# Altium PCB ZYNQ_IPMC.PcbDoc (part 2 of 6)
Units mil, origin at the board's own origin, x right, y up, seen from the top; angles counter-clockwise.
Board outline 3228.35 x 1181.1 mil, 10 copper layers (Component Side, Ground Plane 1 (GND), Inner Layer 1, Inner Layer 2, Power Plane 1, Power Plane 2, Inner Layer 3, Inner Layer 4, Power Plane 3, Solder Side), stack 39.78 mil thick; 308 components, 335 nets, 1514 pads, 1113 vias.
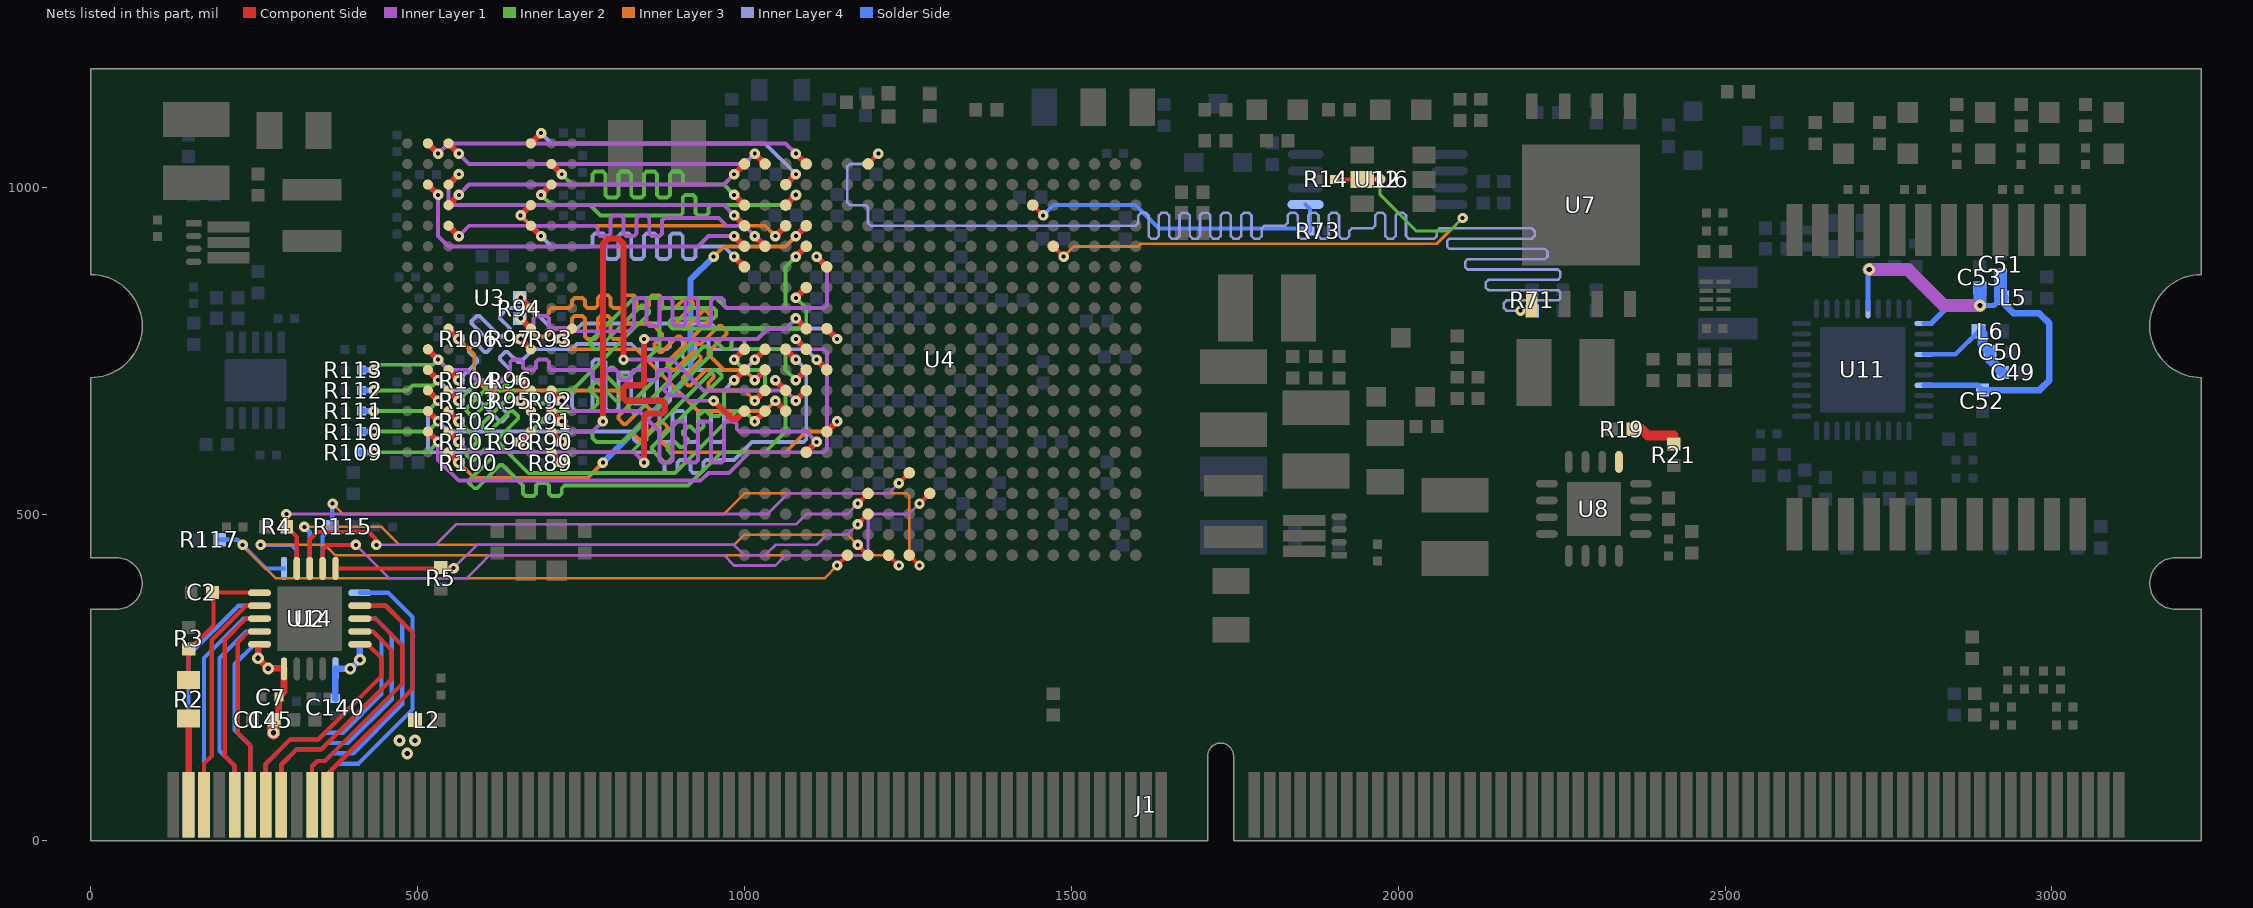
[diagram p10: the nets of this part, all layers, seen from the top]

## Footprints (in the part's own frame and the unit in brackets; to place one, negate y for a bottom-side part, rotate by r counter-clockwise, add the part's x,y. Pads: shape width x height; smd on the part's side, far side on the other; paste and mask are expansions set on the pad) (continued)
MICT-JT-96 [mm] "BGA, 96-Balls, Body 14x8mm, Pitch 0.8mm"
  round 0.4 smd paste+0: A1(-3.2,6) A2(-2.4,6) A3(-1.6,6) A7(1.6,6) A8(2.4,6) A9(3.2,6) B1(-3.2,5.2) B2(-2.4,5.2) B3(-1.6,5.2) B7(1.6,5.2) B8(2.4,5.2) B9(3.2,5.2) C1(-3.2,4.4) C2(-2.4,4.4) C3(-1.6,4.4) C7(1.6,4.4) C8(2.4,4.4) C9(3.2,4.4) D1(-3.2,3.6) D2(-2.4,3.6) D3(-1.6,3.6) D7(1.6,3.6) D8(2.4,3.6) D9(3.2,3.6) E1(-3.2,2.8) E2(-2.4,2.8) E3(-1.6,2.8) E7(1.6,2.8) E8(2.4,2.8) E9(3.2,2.8) F1(-3.2,2) F2(-2.4,2) F3(-1.6,2) F7(1.6,2) F8(2.4,2) F9(3.2,2) G1(-3.2,1.2) G2(-2.4,1.2) G3(-1.6,1.2) G7(1.6,1.2) G8(2.4,1.2) G9(3.2,1.2) H1(-3.2,0.4) H2(-2.4,0.4) H3(-1.6,0.4) H7(1.6,0.4) H8(2.4,0.4) H9(3.2,0.4) J1(-3.2,-0.4) J2(-2.4,-0.4) J3(-1.6,-0.4) J7(1.6,-0.4) J8(2.4,-0.4) J9(3.2,-0.4) K1(-3.2,-1.2) K2(-2.4,-1.2) K3(-1.6,-1.2) K7(1.6,-1.2) K8(2.4,-1.2) K9(3.2,-1.2) L1(-3.2,-2) L2(-2.4,-2) L3(-1.6,-2) L7(1.6,-2) L8(2.4,-2) L9(3.2,-2) M1(-3.2,-2.8) M2(-2.4,-2.8) M3(-1.6,-2.8) M7(1.6,-2.8) M8(2.4,-2.8) M9(3.2,-2.8) N1(-3.2,-3.6) N2(-2.4,-3.6) N3(-1.6,-3.6) N7(1.6,-3.6) N8(2.4,-3.6) N9(3.2,-3.6) P1(-3.2,-4.4) P2(-2.4,-4.4) P3(-1.6,-4.4) P7(1.6,-4.4) P8(2.4,-4.4) P9(3.2,-4.4) R1(-3.2,-5.2) R2(-2.4,-5.2) R3(-1.6,-5.2) R7(1.6,-5.2) R8(2.4,-5.2) R9(3.2,-5.2) T1(-3.2,-6) T2(-2.4,-6) T3(-1.6,-6) T7(1.6,-6) T8(2.4,-6) T9(3.2,-6)
  silkscreen extent -4.77,-7 4,7, body extent -4,-7 4,7, height 0.25
MINIDIMM244 [mm] "244-pin miniDIMM pads"
  rect 0.45x2.55 smd paste-20 mask+0: 1(0,0) 2(0.6,0) 3(1.2,0) 4(1.8,0) 5(2.4,0) 6(3,0) 7(3.6,0) 8(4.2,0) 9(4.8,0) 10(5.4,0) 11(6,0) 12(6.6,0) 13(7.2,0) 14(7.8,0) 15(8.4,0) 16(9,0) 17(9.6,0) 18(10.2,0) 19(10.8,0) 20(11.4,0) 21(12,0) 22(12.6,0) 23(13.2,0) 24(13.8,0) 25(14.4,0) 26(15,0) 27(15.6,0) 28(16.2,0) 29(16.8,0) 30(17.4,0) 31(18,0) 32(18.6,0) 33(19.2,0) 34(19.8,0) 35(20.4,0) 36(21,0) 37(21.6,0) 38(22.2,0) 39(22.8,0) 40(23.4,0) 41(24,0) 42(24.6,0) 43(25.2,0) 44(25.8,0) 45(26.4,0) 46(27,0) 47(27.6,0) 48(28.2,0) 49(28.8,0) 50(29.4,0) 51(30,0) 52(30.6,0) 53(31.2,0) 54(31.8,0) 55(32.4,0) 56(33,0) 57(33.6,0) 58(34.2,0) 59(34.8,0) 60(35.4,0) 61(36,0) 62(36.6,0) 63(37.2,0) 64(37.8,0) 65(38.4,0) 66(42,0) 67(42.6,0) 68(43.2,0) 69(43.8,0) 70(44.4,0) 71(45,0) 72(45.6,0) 73(46.2,0) 74(46.8,0) 75(47.4,0) 76(48,0) 77(48.6,0) 78(49.2,0) 79(49.8,0) 80(50.4,0) 81(51,0) 82(51.6,0) 83(52.2,0) 84(52.8,0) 85(53.4,0) 86(54,0) 87(54.6,0) 88(55.2,0) 89(55.8,0) 90(56.4,0) 91(57,0) 92(57.6,0) 93(58.2,0) 94(58.8,0) 95(59.4,0) 96(60,0) 97(60.6,0) 98(61.2,0) 99(61.8,0) 100(62.4,0) 101(63,0) 102(63.6,0) 103(64.2,0) 104(64.8,0) 105(65.4,0) 106(66,0) 107(66.6,0) 108(67.2,0) 109(67.8,0) 110(68.4,0) 111(69,0) 112(69.6,0) 113(70.2,0) 114(70.8,0) 115(71.4,0) 116(72,0) 117(72.6,0) 118(73.2,0) 119(73.8,0) 120(74.4,0) 121(75,0) 122(75.6,0)
  rect 0.45x2.55 smd far side paste-20 mask+0: 123(0,0) 124(0.6,0) 125(1.2,0) 126(1.8,0) 127(2.4,0) 128(3,0) 129(3.6,0) 130(4.2,0) 131(4.8,0) 132(5.4,0) 133(6,0) 134(6.6,0) 135(7.2,0) 136(7.8,0) 137(8.4,0) 138(9,0) 139(9.6,0) 140(10.2,0) 141(10.8,0) 142(11.4,0) 143(12,0) 144(12.6,0) 145(13.2,0) 146(13.8,0) 147(14.4,0) 148(15,0) 149(15.6,0) 150(16.2,0) 151(16.8,0) 152(17.4,0) 153(18,0) 154(18.6,0) 155(19.2,0) 156(19.8,0) 157(20.4,0) 158(21,0) 159(21.6,0) 160(22.2,0) 161(22.8,0) 162(23.4,0) 163(24,0) 164(24.6,0) 165(25.2,0) 166(25.8,0) 167(26.4,0) 168(27,0) 169(27.6,0) 170(28.2,0) 171(28.8,0) 172(29.4,0) 173(30,0) 174(30.6,0) 175(31.2,0) 176(31.8,0) 177(32.4,0) 178(33,0) 179(33.6,0) 180(34.2,0) 181(34.8,0) 182(35.4,0) 183(36,0) 184(36.6,0) 185(37.2,0) 186(37.8,0) 187(38.4,0) 188(42,0) 189(42.6,0) 190(43.2,0) 191(43.8,0) 192(44.4,0) 193(45,0) 194(45.6,0) 195(46.2,0) 196(46.8,0) 197(47.4,0) 198(48,0) 199(48.6,0) 200(49.2,0) 201(49.8,0) 202(50.4,0) 203(51,0) 204(51.6,0) 205(52.2,0) 206(52.8,0) 207(53.4,0) 208(54,0) 209(54.6,0) 210(55.2,0) 211(55.8,0) 212(56.4,0) 213(57,0) 214(57.6,0) 215(58.2,0) 216(58.8,0) 217(59.4,0) 218(60,0) 219(60.6,0) 220(61.2,0) 221(61.8,0) 222(62.4,0) 223(63,0) 224(63.6,0) 225(64.2,0) 226(64.8,0) 227(65.4,0) 228(66,0) 229(66.6,0) 230(67.2,0) 231(67.8,0) 232(68.4,0) 233(69,0) 234(69.6,0) 235(70.2,0) 236(70.8,0) 237(71.4,0) 238(72,0) 239(72.6,0) 240(73.2,0) 241(73.8,0) 242(74.4,0) 243(75,0) 244(75.6,0)
QFN40_H [mm] "QFN, 40-Leads, Body 5.00x5.00mm, Pitch 0.40mm, Thermal Pad 3.33x3.33mm, IPC High Density"
  oval 0.75x0.2 smd: 1(-2.375,1.8) 2(-2.375,1.4) 3(-2.375,1) 4(-2.375,0.6) 5(-2.375,0.2) 6(-2.375,-0.2) 7(-2.375,-0.6) 8(-2.375,-1) 9(-2.375,-1.4) 10(-2.375,-1.8) 21(2.375,-1.8) 22(2.375,-1.4) 23(2.375,-1) 24(2.375,-0.6) 25(2.375,-0.2) 26(2.375,0.2) 27(2.375,0.6) 28(2.375,1) 29(2.375,1.4) 30(2.375,1.8)
  oval 0.2x0.75 smd: 11(-1.8,-2.375) 12(-1.4,-2.375) 13(-1,-2.375) 14(-0.6,-2.375) 15(-0.2,-2.375) 16(0.2,-2.375) 17(0.6,-2.375) 18(1,-2.375) 19(1.4,-2.375) 20(1.8,-2.375) 31(1.8,2.375) 32(1.4,2.375) 33(1,2.375) 34(0.6,2.375) 35(0.2,2.375) 36(-0.2,2.375) 37(-0.6,2.375) 38(-1,2.375) 39(-1.4,2.375) 40(-1.8,2.375)
  rect 3.33x3.33 smd paste-20: 41(0,0)
  silkscreen extent -3.47,-2.7 2.7,2.7, body extent -2.55,-2.55 2.55,2.55, height 0.8
R0201_IPC_H [mm] "Chip Resistor, 2-Leads, Body 0.60x0.30mm, IPC High Density"
  rect 0.35x0.35 smd: 1(-0.325,0) 2(0.325,0)
  body extent -0.32,-0.17 0.32,0.17, height 0.26
R0402_IPC_H [mm] "Chip Resistor, 2-Leads, Body 1.00x0.50mm, IPC High Density"
  rect 0.5x0.52 smd: 1(-0.415,0) 2(0.415,0)
  body extent -0.53,-0.28 0.53,0.28, height 0.4
R0603 [mm] "Chip Resistor, Body 1.6x0.8mm, IPC High Density"
  rect 0.7x0.9 smd: 1(-0.75,0) 2(0.75,0)
  silkscreen extent -0.2,-0.35 0.2,0.35, body extent -0.85,-0.48 0.85,0.48, height 0.9
SON127P800X80_HS-9_N [mm] "SON, 8-Leads, Body 6.00x8.00mm, Pitch 1.27mm, Thermal Pad 4.60x4.70mm, IPC Medium Density"
  rect 1x0.45 smd: 1(-3.845,1.905) 2(-3.845,0.635) 3(-3.845,-0.635) 4(-3.845,-1.905) 5(3.845,-1.905) 6(3.845,-0.635) 7(3.845,0.635) 8(3.845,1.905)
  rect 4.7x4.6 smd paste-2.35: 9(0,0)
  silkscreen extent -4.65,-3.2 4.2,3.25, body extent -4.1,-3.05 4.1,3.05, height 0.8
SOT23-H [mm] "SOT23, 3-Leads, Body 2.90x2.45mm, Pitch 0.95mm, IPC High Density"
  rect 0.75x0.75 smd: 1(-1.145,0.95) 2(-1.145,-0.95) 3(1.145,0)
  silkscreen extent -1.27,-1.52 0.76,1.78, body extent -0.7,-1.5 0.7,1.5, height 1.1
SOT-23-OT6_L [mm] "SOT23, 6-Leads, Body 2.9x1.7mm, Pitch 0.95mm, Lead Span 2.8mm, IPC High Density"
  rect 0.9x0.65 smd: 1(-1.2,0.95) 2(-1.2,0) 3(-1.2,-0.95) 4(1.2,-0.95) 5(1.2,0) 6(1.2,0.95)
  silkscreen extent -1.43,-1.55 0.9,1.9, body extent -0.9,-1.55 0.9,1.55, height 1.45
TSSOP-ST8_L [mm] "TSOP, 8-Leads, Body 3x4.4mm, Pitch 0.65mm, IPC High Density"
  oval 1.4x0.35 smd: 1(-2.8,0.975) 2(-2.8,0.325) 3(-2.8,-0.325) 4(-2.8,-0.975) 5(2.8,-0.975) 6(2.8,-0.325) 7(2.8,0.325) 8(2.8,0.975)
  silkscreen extent -2.82,-1.55 2.25,1.7, body extent -2.25,-1.55 2.25,1.55, height 1.2
VSON-8_L [mm]
  rect 0.6x0.25 smd mask+0.07: 1(0,1)
  oval 0.6x0.25 smd mask+0.07: 2(0,0.5) 3(0,0) 4(0,-0.5)
  rect 1.64x0.44 smd paste-0.09 mask-0.07: 5(1.35,-0.35) 6(1.35,0.25) 7(1.35,0.85)
  silkscreen extent -0.82,1.38 -0.58,1.62, body extent -0.05,-0.75 1.95,1.25, height 1
X2SON-8_H [mm] "SON, 8-Leads, Body 1.40x1.00mm, Pitch 0.35mm, IPC High Density"
  rect 0.53x0.175 smd mask+0: 1(-0.335,0.525) 2(-0.335,0.175) 3(-0.335,-0.175) 4(-0.335,-0.525) 5(0.335,-0.525) 6(0.335,-0.175) 7(0.335,0.175) 8(0.335,0.525)
  silkscreen extent -0.86,0.79 -0.76,0.89, body extent -0.53,-0.72 0.53,0.72, height 0.4
XRCGB_F [mm] "Murata XRCGB_F footprint"
  rect 0.75x0.7 smd paste-0.07 mask-0.07: 1(-1232.05,-1243.025) 2(-1230.7,-1243.025) 3(-1230.7,-1242.025) 4(-1232.05,-1242.025)
  silkscreen extent -1232.5,-1243.86 -1230.25,-1241.57, body extent -1232.37,-1243.32 -1230.37,-1241.72, height 0.7

## Part data
C1 C3 C4 C5 C7 C8 C9 C10 C11 C13 C16 C18 C19 C20 C21 C22 C23 C25 C26 C28 C29 C30 C31 C33 C36 C37 C40 C41 C43 C45 C55 C56 C58 C59 C61 C63 C64 C65 C67 C68 C69 C72 C73 C76 C78 C79 C81 C83 C85 C86 C88 C89 C92 C93 C96 C97 C98 C99 C100 C102 C103 C106 C108 C109 C112 C113 C114 C116 C118 C119 C120 C121 C122 C123 C124 C125 C126 C127 C128 C129 C130 C131 C132 C133 C134 C135 C136 C137 C138 C139 C140 C141 C142 C143 C144 C145 C146 C147 C148 C149: library part Cap, "Capacitor", Manufacturer=Murata, Rating=6.3V, PackageDescription="Chip Capacitor"
  C1 C11 C16 C18 C20 C26 C30 C61 C64 C65 C67 C68: INVKEY=CP1210-100UF-6.3V-20%, Part=GRM32ER60J107ME20L
  C3 C7 C9 C10 C36 C37 C40 C41 C43 C45 C118 C119 C120 C121 C122 C123 C124 C125 C126 C129 C130 C131 C132 C133 C134 C135 C136 C137 C138 C140 C142 C143 C144 C149: INVKEY=CP0201-0.1UF-6.3V-10%, Part=GRM033R60J104KE19D
  C4 C5 C8 C19 C23 C25 C28 C29 C31 C33 C58 C59 C63 C109 C127 C128 C139 C141 C145 C146 C147 C148: INVKEY=CP0402-10UF-6V3-20%, Part=GRM155R60J106ME44D
  C13 C21 C22 C69 C72 C73 C76 C78 C79 C81 C83 C85 C86 C88 C89 C92 C93 C96 C97 C98 C99 C100 C102 C103 C106 C108 C112 C113 C114 C116: INVKEY=CP0402-0.47UF-6V3-10%, Part=GRM155R60J474KE19D
  C55 C56: INVKEY=CP0201-27PF-6V3-5%, Part=GJM0335C0J270JB01D
C2 C12 C15 C27 C32 C34 C38 C39 C48 C49 C51 C52 C53 C57 C60 C62 C66 C91 C95 C110 C111 C117: library part Cap, "Capacitor", Manufacturer=Murata, Rating=16V, PackageDescription="Chip Capacitor"
  C2 C32: INVKEY=CP0402-47nf-16V-10%, Part=GRM155R71C473KA01D
  C12 C15 C27 C34 C38 C39 C48 C49 C51 C52 C53 C57 C60 C62 C66 C91 C95 C110 C111 C117: INVKEY=CP0402-0.1UF-16V-10%, Part=GRM155R71C104KA88D
C6 C14 C17 C24 C70 C71 C74 C75 C77 C80 C82 C84 C87 C90 C94 C101 C104 C105 C107 C115: library part Cap, "Capacitor", Manufacturer=TDK, Rating=6.3V, PackageDescription="Chip Capacitor"
  C6 C14 C17 C24 C74: INVKEY=CP0805-47UF-6.3V, Part=C2012X5R0J476M125AC
  C70 C71 C75 C77 C80 C82 C84 C87 C90 C94 C101 C104 C105 C107 C115: INVKEY=CP0402-4.7UF-6.3V, Part=C1005X5R0J475M050BC
C35 C50 C54: library part Cap, "Capacitor", Manufacturer=AVX, Rating=16V, INVKEY=CP0402-4.7uf-16V-20%, PackageDescription="Chip Capacitor", Part=0402YD475MAT2A
C42 C44 C46: library part Cap, "Capacitor", Manufacturer=TDK, Rating=25V, INVKEY=CP0201-470PF-25V-10%, PackageDescription="Chip Capacitor", Part=C0603X7R1E471K030BA
C47: library part Cap, "Capacitor", Manufacturer=Murata, Rating=100V, INVKEY=CP0402-1000PF-100V-10%, PackageDescription="Chip Capacitor", Part=GRM155R72A102KA01D
D1 D2 D3 D4 D5 D6 D7 D8 D9: library part LED, "Light Emitting Diode", Manufacturer=Lite-On
  D1 D3 D9: INVKEY=LED-RD-TOP-0603, Part=LTST-C190KRKT
  D2 D4 D7: INVKEY=LED-YLW-TOP-0603, Part=LTST-C190KSKT
  D5 D6 D8: INVKEY=LED-GN-TOP-0603, Part=LTST-C190KGKT
J1: "244-pin miniDIMM pads", Note="NOT A PART"
L1 L4: library part Ind, "Inductor", DC Current=6.7A, DC Resistance=23mOhm, Manufacturer=Murata, Tolerance=20%, INVKEY=IND-DFE2520102F, PackageDescription="Chip Inductor", Part=DFE252012F-R47M=P2
L2 L3 L5 L6 L8 L9: library part Bead, "Bead Inductor", Manufacturer="Taiyo Yuden", Measuring Frequency=100MHz, Rated Current=300mA, INVKEY=FB-BK1005HM241-T, PackageDescription="Chip Inductor", Part=BK1005HM241-T
L7: library part Ind, "Inductor", DC Current=0.94A, DC Resistance=338mOhm, Manufacturer=Wurth, Tolerance=20%, INVKEY=IND-74438323047, PackageDescription="Chip Inductor", Part=74438323047
Q1: "Small Signal MOSFET, -8.0V, -3.7 A, Single P-Channel, SOT-23", Manufacturer="On Semiconductor", INVKEY=MOS-NTR2101P-SOT23, Part=NTR2101P
Q2 Q3: "N-Channel   Logic Level Enhancement Mode Field Effect Transistor", Manufacturer=Fairchild, INVKEY=FET-NDS331N-SSOT23, Part=NDS331N
R1 R4 R5 R9 R10 R11 R12 R14 R16 R18 R20 R23 R27 R29 R30 R31 R32 R34 R35 R36 R37 R39 R40 R41 R42 R43 R44 R45 R46 R47 R48 R50 R51 R54 R55 R58 R62 R63 R65 R71 R73 R75 R76 R77 R79 R80 R82 R84 R85 R108 R115 R116 R117 R119: library part Res, "Resistor", Manufacturer=Panasonic, Tolerance=1%, PackageDescription="Chip Resistor"
  R1 R14 R16 R20 R23 R29 R30 R31 R32 R34 R35 R36 R37 R40 R41 R42 R43 R44 R45 R46 R47 R50 R51 R73: INVKEY=RS0201-10K-1/20W-1%, Part=ERJ-1GNF1002C
  R4 R5 R62 R65 R71 R76 R79 R80 R82 R84 R108 R115 R117: INVKEY=RS0402-4K7-1/10W-1%, Part=ERJ-2RKF4701X
  R9 R10 R11 R12 R27 R75 R85: INVKEY=RS0402-49R9-1/10W-1%, Part=ERJ-2RKF49R9X
  R18: INVKEY=RS0402-24K-1/10W-1%, Part=ERJ-2RKF2402X
  R39 R48 R54 R58: INVKEY=RS0402-75R-1/10W-1%, Part=ERJ-2RKF75R0X
  R55 R116 R119: INVKEY=RS0402-2K37-1/10W-1%, Part=ERJ-2RKF2371X
  R63 R77: INVKEY=RS0201-22R-1/20W-1%, Part=ERJ-1GNF22R0C
R2: library part Res, "Resistor", Manufacturer="Susumu Co Ltd", Tolerance=0.1%, INVKEY=RS0603-4K64-1/10W-PREC, PackageDescription="Chip Resistor", Part=RG1608P-4641-B-T1
R3: library part Res, "Resistor", Manufacturer=Vishay, Tolerance=0.1%, INVKEY=RS0402-1K-1/16W-PREC, PackageDescription="Chip Resistor", Part=TNPW04021K00BEED
R6 R7 R8 R13 R15 R17 R24 R25 R26 R33 R38 R66 R67 R68 R69 R70 R78 R81 R83 R86 R87 R88 R89 R90 R91 R92 R93 R94 R95 R96 R97 R98 R100 R101 R102 R103 R104 R105 R106 R107 R109 R110 R111 R112 R113 R114: library part Res, "Resistor", Manufacturer=Panasonic-ECG, Tolerance=1%, PackageDescription="Chip Resistor"
  R6 R7 R24 R25 R26 R33 R38: INVKEY=RS0402-510R-1/10W-1%, Part=ERJ-2RKF5100X
  R8 R17 R78: INVKEY=RS0402-1K-1/10W-1%, Part=ERJ-2RKF1001X
  R13 R15: INVKEY=RS0402-200R-1/10W-1%, Part=ERJ-2RKF2000X
  R66 R67 R68 R69 R70 R81 R83: INVKEY=RS0402-20K-1/10W-1%, Part=ERJ-2RKF2002X
  R86 R87 R94: INVKEY=RS0402-80R6-1/10W-1%, Part=ERJ-2RKF80R6X
  R88: INVKEY=RS0402-240R-1/10W-1%, Part=ERJ-2RKF2400X
  R89 R90 R91 R92 R93 R95 R96 R97 R98 R100 R101 R102 R103 R104 R105 R106 R107 R109 R110 R111 R112 R113 R114: INVKEY=RS0201-40R2-1/20W-1%, Part=ERJ-1GEF40R2C
R19 R21 R72 R118 R120: library part Res, "Resistor", Manufacturer=Panasonic, Tolerance=0.1%, PackageDescription="Chip Resistor"
  R19: INVKEY=R0402-57K6-1/16W-PREC, Part=ERA-2AEB5762X
  R21 R72: INVKEY=RS0402-22K1-1/16W-PREC, Part=ERA-2AEB2212X
  R118: INVKEY=RS0402-41K2-1/16W-PREC, Part=ERA-2AEB4122X
  R120: INVKEY=RS0402-47K-1/16W-PREC, Part=ERA-2AEB473X
R22 R28 R49 R52 R53 R56 R57 R59 R60 R61 R64 R99: library part Res, "Resistor", Manufacturer=Panasonic-ECG, Tolerance=5%, PackageDescription="Chip Resistor"
  R22 R28 R49 R52 R53 R56 R57 R59 R60 R61 R64: INVKEY=RS0402-10K-1/10W-5%, Part=ERJ-2GEJ103X
  R99: INVKEY=RS0402-0R-1/10W-5%, Part=ERJ-2GE0R00X
R74: library part Res, "Resistor", Manufacturer=Panasonic-ECG, Tolerance=0.1%, INVKEY=RS0402-86K6-1/16W-PREC, PackageDescription="Chip Resistor", Part=ERA-2AEB8662X
U1 U5: "3-A Step-Down Converter With Hiccup Short-Circuit Protection", Manufacturer="Texas Instruments", INVKEY=IC-TPS62085, Part=TPS62085
U2 U14: library part CMP-0313-00576-2, "Octal 16-Bit PulSAR Analog-to-Digital Converter with Serial, SPI Interface, 250KSPS, -40 to +85 degC, CP-20-4, Pb-Free, Tube", Generic Part Number=AD7689, Manufacturer=Analog, Channels=8, Code_JEDEC=MO-220-VGGD-1, ComponentLink1Description="Manufacturer URL", ComponentLink1URL=http://www.analog.com/en/index.html, ComponentLink2Description=Datasheet, ComponentLink2URL=http://www.analog.com/static/imported-files/data_sheets/AD7682_7689.pdf, ComponentLink3Description="Package Specification", ComponentLink3URL=http://www.analog.com/static/imported-files/packages/PKG_PDF/LFCSP(CP)/CP_20_4.pdf, ComponentLink4Description="Product URL", ComponentLink4URL=http://www.analog.com/en/analog-to-digital-converters/ad-converters/ad7689/products/product.html, DatasheetVersion=Rev.D, Interface="Ser, SPI", INVKEY=IC-ADC-AD7689BCPZ, Mounting Technology="Surface Mount", PackageDescription="20-Lead Lead Frame Chip Scale Package [LFCSP_VQ] 4 x 4 mm Body, Very Thin Quad", PackageReference=CP-20-4, PackageVersion=012508-B, Packing=Tube, Part=AD7689BCPZ, PartNumber=AD7689BCPZ, Resolution (Bits)=16, RoHS=Y, Throughput Rate (SPS)=250K
U3: Manufacturer=Micron, INVKEY=IC-DRAM-MT41J-2GB-JT, Note="Any speed grade will work", Part=MT41J128M16JT-125
U4: library part XNLX-XC7Z020-CLG400, Manufacturer=Xilinx, INVKEY=?, Part=XC7Z014S-1CLG400C
U6: library part CMP-0165-00270-1, "2K SPI Bus Serial EEPROM with EUI-48 Node Identity, 6-Pin SOT-23, Industrial Temperature, Tape and Reel", Manufacturer=Microchip, Code_IPC=SOT26A-6, DatasheetVersion="revA, Dec-2008", INVKEY=IC-EEPROM-2K-SSPI-SOT23, PackageDescription="6-Lead Plastic Small Outline Transistor (OT) [SOT-23]", PackageReference=SOT-23-OT6, PackageVersion="revBB, Aug-2009", Part=25AA02E48T-I/OT
U7: "3V, 512M-BIT [x1/x2/x4], CMOS MXSMIO (SERIAL MULTI I/O) FLASH MEMORY", Manufacturer=Macronix, INVKEY=?, Part=MX66L51235FZ2I-10G
U8: library part CMP-0786-00436-1, "1.2 A, Low VIN, Low Dropout Linear Regulator, 1.6 to 3.6 V Vin, 0.75 to 3 V Vout, Industrial, 16-pin QFN (CP-16-4), Reel", Manufacturer=Analog, Supply Current IGND @ Small Load=90uA, Code_JEDEC=MO-220-VGGC, ComponentLink1Description="Manufacturer URL", ComponentLink1URL=http://www.analog.com/en/index.html, ComponentLink2Description=Datasheet, ComponentLink2URL=http://www.analog.com/static/imported-files/data_sheets/ADP1754_1755.pdf, ComponentLink3Description="Package Specification", ComponentLink3URL=http://www.analog.com/static/imported-files/packages/46009454504174339653421710019CP_16_4.pdf, ComponentLink4Description="URL Link1", ComponentLink4URL="Product URL:http://www.analog.com/en/ADP1755/productSearch.html", DatasheetVersion="Rev. D", INVKEY=IC-REG-ADP1755ACPZ, Iout max=1.2A, Mounting Technology="Surface Mount", PackageDescription="16-Pin Lead Frame Chip Scale Package, Body 4 x 4 mm, Pitch 0.65 mm", PackageReference=CP-16-4, PackageVersion="010606-0, 01/2006", Packing=Reel, Part=ADP1755ACPZ-R7, PartNumber=ADP1755ACPZ-R7, Vin (max) (V)=3.6, Vin (min) (V)=1.6, Vout Adjustable Range="0.75V to 3.3V"
U9: "2-Bit Bidirectional Voltage-Level Translator for Open-Drain and Push-Pull Applications", Manufacturer="Texas Instruments", INVKEY=IC-TXS0102DQER, Part=TXS0102DQER
U10: "1000Base-T, Single Port Mini-Magnetics Modules", Manufacturer="Pulse Electronics", INVKEY=IC-XFRM-MINIMAG-1000BASE-T, Part=H5077NL
U11: "Integrated 10/100/1000 Gigabit Ethernet Transceiver", Manufacturer=Atheros, INVKEY=IC-TXRX-AR8035, Part=AR8035
U12: library part CMP-0165-00405-1, "256K SPI Bus Serial EEPROM, 8-Pin TSSOP, Industrial Temperature", Manufacturer=Microchip, Code_JEDEC=MO-153, DatasheetVersion="revF, May-2007", INVKEY=IC-EEPROM-256K, PackageDescription="8-Lead Plastic Thin Shrink Small Outline (ST) - 4.4mm Body [TSSOP]", PackageReference=TSSOP-ST8, PackageVersion="revBB, Aug-2009", Part=25AA256-I/ST
U13: "3.3V EconoReset with Pushbutton", Manufacturer=Maxim, INVKEY=IC-RST-1818R-10, Part=DS1818R-10
U15: library part CMP-0395-00664-2, "Single Output LDO, 3 A, 2.375 to 3.5 V Input, with DDR Termination, 10-pin SON (DRC), -40 to 85 degC, Green (RoHS & no Sb/Br)", Manufacturer="Texas Instruments", Power Good=TRUE, Rating=Catalog, ComponentLink1Description="Manufacturer URL", ComponentLink1URL=http://www.ti.com/, ComponentLink2Description=Datasheet, ComponentLink2URL=http://www.ti.com/general/docs/lit/getliterature.tsp?genericPartNumber=TPS51200&fileType=pdf, ComponentLink3Description="Package Specification", ComponentLink3URL=http://www.ti.com/litv/pdf/mpds117k, ComponentLink4Description="URL Link1", ComponentLink4URL="Samples URL:http://www.ti.com/product/tps51200#samples", DatasheetVersion=SLUS812, Eco-Plan="Green (RoHS & no Sb/Br)", INVKEY=IC-DDRTERM-REG-PPSON10, Iout(Max)(A)=3, Iq(Typ)(mA)=0.5, Mounting Technology="Surface Mount", PackageDescription="10-Pin Plastic Small Outline, Body 3 x 3 mm, Pitch 0.5 mm", PackageReference=DRC0010J, PackageVersion=4204102-3/L, Part=TPS51200DRCR, PartNumber=TPS51200DRCR, SubFamily="Single Channel LDO", Vin(Max)(V)=3.5, Vin(Min)(V)=2.3
X1: library part "Crystal Osc", "Standard Crystal Oscillator", Manufacturer=Murata, INVKEY=CRY-XRCGB-25.0000MHZ, Part=XRCGB25M000F3M00R0
Y1: library part CMP-0728-00001-1, "Plastic Package Clock Oscillator, 3.6864 MHz Frequency, 15 pF Output Load, 4-Pin 2.5 x 2 x 0.9 mm SMD, -40 to 85 degC, RoHS, Reel", Disable Stand-by Current="15 uA Max.", Frequency="33.333 MHz", Manufacturer=Abracon, Operating Temperature Range="-40 to 85 degC", Overall Freq.Stability="+/- 50 ppm (STD)", PartNumber=ASDMB-3.6864MHZ-LC-T, Supply Voltage="1.8 to 3.3 V", ComponentLink1Description="Manufacturer URL", ComponentLink1URL=http://www.abracon.com/, ComponentLink2Description=Datasheet, ComponentLink2URL=http://www.abracon.com/Oscillators/ASDMB.pdf, ComponentLink3Description="Package Specification", ComponentLink3URL=http://www.abracon.com/Oscillators/ASDMB.pdf, DatasheetVersion=Oct-13, Disable Time="20 ns Typ.", INVKEY=CRY-ASDMB-33.333MHZ, Mounting Technology="Surface Mount", Output Load="15 pF", PackageDescription="4-Pin SMD, Body 2.5 x 2 mm, Height 0.9 mm", PackageReference=ASDMB-4, PackageVersion=Oct-13, Packing=Reel, Part=ASDMB-33.333MHZ-LY, RoHS=TRUE, Startup Time="1.5 ms Typ."

## Via types
v1: diameter 16, hole 6, Component Side to Solder Side, tented both sides, 528 vias
v2: diameter 17, hole 7, Component Side to Solder Side, tented both sides, 302 vias
v3: diameter 18, hole 8, Component Side to Solder Side, tented both sides, 268 vias
v4: diameter 17, hole 7, Component Side to Solder Side, tented top, 13 vias
v5: diameter 16, hole 6, Component Side to Solder Side, tented top, 2 vias

## Nets (pads, with @x,y where several pads share a name; then routed paths per layer and width w, separated by ;. In a path a pad name is that pad's centre, name@x,y a point inside that pad or via, vN(x,y) a via of type N, cw(c..) or ccw(c..) an arc to the next point about the centre after c; other vN are vias at no path point)
+12V_SENSE: J1.2 R2.1 | length 137.2
  Component Side w10: J1.2@149.61,55.12 149.61,179.13 R2.1@149.61,187.01 R2.1@149.61,192.32
\ADC-A_SPI_CS: R5.1 U2.11 U4.V7 | length 862.6
  Component Side w6.5: U2.11@374.37,416.77 534.29,416.77 R5.1@535.43,417.91 554.53,417.91 v1(555.12,417.32) ; v1(1173.23,484.25) U4.V7@1188.98,500
  Inner Layer 1 w4: v1(555.12,417.32) 590.55,452.76 984.25,452.76 1000,437.01 1031.5,437.01 1047.24,452.76 1110.24,452.76 1125.98,468.5 1157.48,468.5 v1(1173.23,484.25)
\ADC-B_SPI_CS: R117.1 U4.Y6 U14.11 | length 1077.4
  Component Side w6.5: v1(1141.73,421.26) U4.Y6@1157.48,437.01
  Inner Layer 3 w4: v1(232.28,452.76) 283.46,401.57 1122.05,401.57 v1(1141.73,421.26)
  Solder Side w6.5: R117.1@197.44,460.63 224.41,460.63 v1(232.28,452.76) 268.27,416.77 U14.11@295.63,416.77
\QSPI_S: R71.2 U4.A7 U7.1 | length 2987.7
  Component Side w6.5: U4.A7@1188.98,1035.43 v1(1204.72,1051.18) ; v1(2187.01,811.02) 2194.49,811.02 U7.1@2204.53,821.06
  Inner Layer 4 w4: v1(1204.72,1051.18) 1188.98,1035.43 1161.42,1035.43 1157.48,1031.5 1157.48,976.38 1161.42,972.44 1185.04,972.44 1188.98,968.5 1188.98,944.88 1192.91,940.94 1598.43,940.94 1602.36,944.88 1602.36,956.69 1606.3,960.63 1614.17,960.63 1618.11,956.69 1618.11,925.2 1622.05,921.26 1629.92,921.26 1633.86,925.2 1633.86,956.69 1637.8,960.63 1645.67,960.63 1649.61,956.69 1649.61,925.2 1653.54,921.26 1661.42,921.26 1665.35,925.2 1665.35,956.69 1669.29,960.63 1677.17,960.63 1681.1,956.69 1681.1,925.2 1685.04,921.26 1692.91,921.26 1696.85,925.2 1696.85,956.69 1700.79,960.63 1708.66,960.63 1712.6,956.69 1712.6,925.2 1716.54,921.26 1724.41,921.26 1728.35,925.2 1728.35,956.69 1732.28,960.63 1740.16,960.63 1744.09,956.69 1744.09,925.2 1748.03,921.26 1755.91,921.26 1759.84,925.2 1759.84,956.69 1763.78,960.63 1771.65,960.63 1775.59,956.69 1775.59,925.2 1779.53,921.26 1787.4,921.26 1791.34,925.2 1791.34,937.01 1795.28,940.94 1826.77,940.94 1830.71,944.88 1830.71,956.69 1834.65,960.63 1842.52,960.63 1846.46,956.69 1846.46,925.2 1850.39,921.26 1858.27,921.26 1862.2,925.2 1862.2,956.69 1866.14,960.63 1874.02,960.63 1877.95,956.69 1877.95,925.2 1881.89,921.26 1889.76,921.26 1893.7,925.2 1893.7,956.69 1897.64,960.63 1905.51,960.63 1909.45,956.69 1909.45,925.2 1913.39,921.26 1921.26,921.26 1925.2,925.2 1925.2,933.07 1929.13,937.01 1960.63,937.01 1964.57,940.94 1964.57,956.69 1968.5,960.63 1976.38,960.63 1980.31,956.69 1980.31,925.2 1984.25,921.26 1992.13,921.26 1996.06,925.2 1996.06,956.69 2000,960.63 2007.87,960.63 2011.81,956.69 2011.81,925.2 2015.75,921.26 2055.12,921.26 2059.06,925.2 2059.06,933.07 2062.99,937.01 2204.72,937.01 2208.66,933.07 2208.66,925.2 2204.72,921.26 2078.74,921.26 2074.8,917.32 2074.8,909.45 2078.74,905.51 2224.41,905.51 2228.35,901.57 2228.35,893.7 2224.41,889.76 2106.3,889.76 2102.36,885.83 2102.36,877.95 2106.3,874.02 2228.35,874.02 2244.09,874.02 2248.03,870.08 2248.03,862.2 2244.09,858.27 2137.8,858.27 2133.86,854.33 2133.86,846.46 2137.8,842.52 2228.35,842.52 2244.09,842.52 2248.03,838.58 2248.03,830.71 2244.09,826.77 2165.35,826.77 2161.42,822.83 2161.42,814.96 2165.35,811.02 v1(2187.01,811.02)